# KiCad board squishy-main.kicad_pcb (continued)
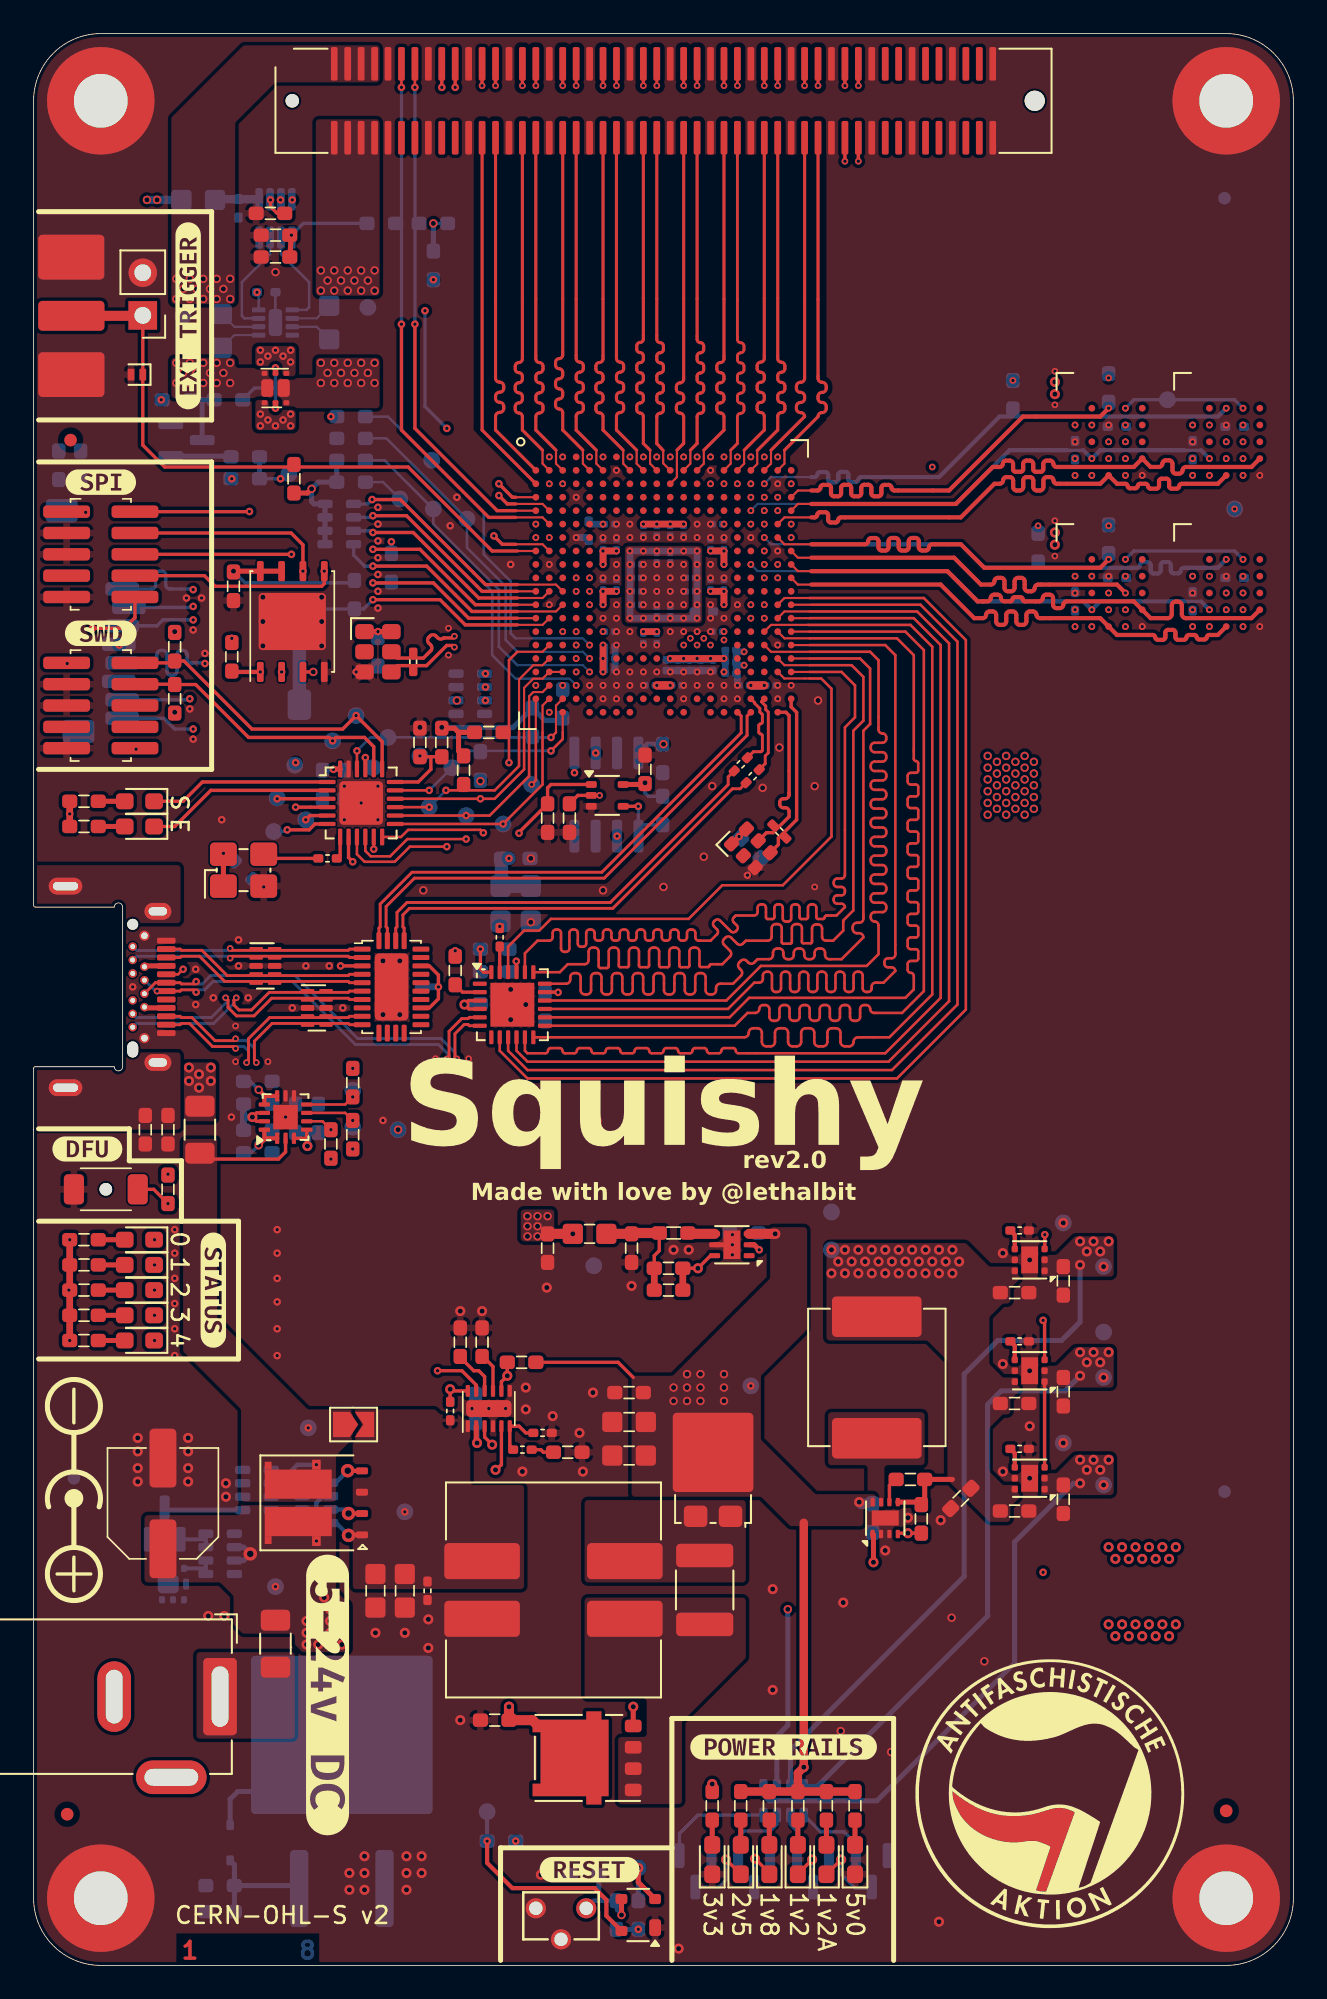
[diagram p0: board, top side]
## Footprints (pads in the part's own frame, mm; a bottom-side part is the same pattern mirrored in y, then rotated) (continued)
101445x-10x80xLF
  round 0.8 hole 0.8 unplated: (-22.1,0)
  round 1.2 hole 1.2 unplated: (22.1,0)
  rrect 0.4x2 smd: 1(-19.6,2.2) 2(-19.6,-2.2) 3(-18.8,2.2) 4(-18.8,-2.2) 5(-18,2.2) 6(-18,-2.2) 7(-17.2,2.2) 8(-17.2,-2.2) 9(-16.4,2.2) 10(-16.4,-2.2) 11(-15.6,2.2) 12(-15.6,-2.2) 13(-14.8,2.2) 14(-14.8,-2.2) 15(-14,2.2) 16(-14,-2.2) 17(-13.2,2.2) 18(-13.2,-2.2) 19(-12.4,2.2) 20(-12.4,-2.2) 21(-11.6,2.2) 22(-11.6,-2.2) 23(-10.8,2.2) 24(-10.8,-2.2) 25(-10,2.2) 26(-10,-2.2) 27(-9.2,2.2) 28(-9.2,-2.2) 29(-8.4,2.2) 30(-8.4,-2.2) 31(-7.6,2.2) 32(-7.6,-2.2) 33(-6.8,2.2) 34(-6.8,-2.2) 35(-6,2.2) 36(-6,-2.2) 37(-5.2,2.2) 38(-5.2,-2.2) 39(-4.4,2.2) 40(-4.4,-2.2) 41(-3.6,2.2) 42(-3.6,-2.2) 43(-2.8,2.2) 44(-2.8,-2.2) 45(-2,2.2) 46(-2,-2.2) 47(-1.2,2.2) 48(-1.2,-2.2) 49(-0.4,2.2) 50(-0.4,-2.2) 51(0.4,2.2) 52(0.4,-2.2) 53(1.2,2.2) 54(1.2,-2.2) 55(2,2.2) 56(2,-2.2) 57(2.8,2.2) 58(2.8,-2.2) 59(3.6,2.2) 60(3.6,-2.2) 61(4.4,2.2) 62(4.4,-2.2) 63(5.2,2.2) 64(5.2,-2.2) 65(6,2.2) 66(6,-2.2) 67(6.8,2.2) 68(6.8,-2.2) 69(7.6,2.2) 70(7.6,-2.2) 71(8.4,2.2) 72(8.4,-2.2) 73(9.2,2.2) 74(9.2,-2.2) 75(10,2.2) 76(10,-2.2) 77(10.8,2.2) 78(10.8,-2.2) 79(11.6,2.2) 80(11.6,-2.2) 81(12.4,2.2) 82(12.4,-2.2) 83(13.2,2.2) 84(13.2,-2.2) 85(14,2.2) 86(14,-2.2) 87(14.8,2.2) 88(14.8,-2.2) 89(15.6,2.2) 90(15.6,-2.2) 91(16.4,2.2) 92(16.4,-2.2) 93(17.2,2.2) 94(17.2,-2.2) 95(18,2.2) 96(18,-2.2) 97(18.8,2.2) 98(18.8,-2.2) 99(19.6,2.2) 100(19.6,-2.2)
AK2A-xxxMHz
  rrect 0.7x0.8 smd: 1(-1,-0.625) 2(0,-0.625) 3(1,-0.625) 4(1,0.625) 5(0,0.625) 6(-1,0.625)
AK3A-xxxMHz
  rrect 0.9x1.1 smd: 1(-1.2,-0.8) 2(0,-0.8) 3(1.2,-0.8) 4(1.2,0.8) 5(0,0.8) 6(-1.2,0.8)
B3U-1000P-B
  round 0.75 hole 0.75 unplated: (0,0)
  rrect 1.2x1.8 smd: 1(-1.9,0) 2(1.9,0)
BarrelJack_GCT_DCJ200-10-A_Horizontal
  rrect 4.6x2 hole 3.6x1: 1(0,0)
  oval 4.2x2 hole 3.2x1: 2(0,-6.3)
  oval 2x4.2 hole 1x3.2: 3(4.8,-2.9)
Bourns-SRF1260
  rrect 2.15x4.5 smd: 1(-1.715,-4.25) 2(1.715,-4.25) 3(1.715,4.25) 4(-1.715,4.25)
C0402
  rrect 0.6x0.5 smd: 1(-0.55,0) 2(0.55,0)
C0603
  rrect 0.9x0.8 smd: 1(-0.85,0) 2(0.85,0)
C0805
  rrect 1.2x1.2 smd: 1(-1,0) 2(1,0)
C_0201_0603Metric
  rrect 0.318x0.36 smd: (-0.345,0) (0.345,0)
  rrect 0.46x0.4 smd: 1(-0.32,0) 2(0.32,0)
C_1812_4532Metric
  rrect 1.4x3.4 smd: 1(-2.05,0) 2(2.05,0)
C_Elec_KEMET_EB
  rrect 3.5x1.6 smd: 1(-2.7,0) 2(2.7,0)
D_SOD-323
  rrect 0.6x0.45 smd: 1(-1.05,0) 2(1.05,0)
D_SOD-882
  rrect 0.3x0.6 smd: (-0.35,0) (0.35,0)
  rrect 0.4x0.7 smd: 1(-0.35,0) 2(0.35,0)
DFN-6-1EP_2x2mm_P0.65mm_EP1.01x1.7mm
  rrect 0.81x0.69 smd: (0,0.425) (0,-0.425)
  rrect 0.645x0.3 smd: 1(-1.028,0.65) 2(-1.028,0) 3(-1.028,-0.65) 4(1.028,-0.65) 5(1.028,0) 6(1.028,0.65)
  rect 1.01x1.7 smd: 7(0,0)
Fiducial_0.75mm_Mask1.5mm
  round 0.75 smd: (0,0)
FTSH-105-01-L-DV-K-TR
  rrect 0.74x2.79 smd: 1(-2.54,-2.035) 2(-2.54,2.035) 3(-1.27,-2.035) 4(-1.27,2.035) 5(0,-2.035) 6(0,2.035) 7(1.27,-2.035) 8(1.27,2.035) 9(2.54,-2.035) 10(2.54,2.035)
Fuse_1206_3216Metric
  rrect 1.25x1.75 smd: 1(-1.4,0) 2(1.4,0)
GCT_MEM2061-01-188-00-A_REVA
  rrect 0.8x2 smd: 1(1.94,-3.225) 2(0.84,-2.825) 3(-0.26,-3.225) 4(-1.36,-3.425) 5(-2.46,-3.225) 6(-3.56,-3.425) 7(-4.66,-3.225) 8(-5.76,-3.225)
  rrect 1.8x1.4 smd: 9(-4.95,7.325) 10(0.75,7.325)
  rrect 1.4x1.9 smd: 11(-6.55,-5.825) 11(6.6,-6.825)
L0603
  rrect 0.9x0.8 smd: 1(-0.85,0) 2(0.85,0)
L_Vishay_IHLP-3232
  rrect 2.413x5.334 smd: 1(-3.619,0) 2(3.619,0)
LED_0603_1608Metric_Pad1.05x0.95mm_HandSolder
  rrect 1.05x0.95 smd: 1(-0.875,0) 2(0.875,0)
Molex_SMA_732512120
  rrect 1.78x3.945 smd: 1(0,-2.272)
  rrect 2.665x3.945 smd: 2(-3.5,-2.272)
  rrect 2.665x3.945 smd far side: 2(-3.5,-2.272) 2(3.493,-2.272)
  rrect 2.665x3.935 smd: 2(3.493,-2.268)
MountingHole_3.2mm_M3_Pad
  round 6.4 hole 3.2: 1(0,0)
ONSemi_SO-8FL_488AA
  rrect 1x1 smd: (-0.7,1.8) (-0.7,0.6) (-0.7,-0.6) (-0.7,-1.8) (0.5,1.8) (0.5,0.6) (0.5,-0.6) (0.5,-1.8) (1.7,1.8) (1.7,0.6) (1.7,-0.6) (1.7,-1.8) (2.9,1.8) (2.9,-1.8)
  rrect 1x0.75 smd: 1(-2.747,-1.905) 2(-2.747,1.905) 2(-2.747,0.635) 2(-2.747,-0.635)
  custom 4.53x5.55 smd: 3(0.745,0)
PinHeader_1x02_P2.54mm_Vertical
  rect 1.7x1.7 hole 1: 1(0,0)
  oval 1.7x1.7 hole 1: 2(0,-2.54)
PowerPAK_SO-8L_Dual
  rrect 1.645x1.4 smd: (-0.01,-1.1) (0,1.1) (2.1,1.1) (2.1,-1.1)
  rrect 0.72x0.41 smd: 1(-2.715,1.905) 2(-2.715,0.635) 3(-2.715,-0.635) 4(-2.715,-1.905)
  rect 0.51x0.585 smd: 5(0,-2.272) 6(0,2.272)
  rect 3.99x1.73 smd: 5(1.08,-1.115) 6(1.08,1.115)
  rect 0.41x0.47 smd: 5(2.87,-2.215) 6(2.87,2.215)
QFN-24-1EP_4x4mm_P0.5mm_EP2.6x2.6mm
  rrect 1.05x1.05 smd: (-0.65,0.65) (-0.65,-0.65) (0.65,0.65) (0.65,-0.65)
  rrect 1x0.25 smd: 1(-2.025,1.25) 2(-2.025,0.75) 3(-2.025,0.25) 4(-2.025,-0.25) 5(-2.025,-0.75) 6(-2.025,-1.25) 13(2.025,-1.25) 14(2.025,-0.75) 15(2.025,-0.25) 16(2.025,0.25) 17(2.025,0.75) 18(2.025,1.25)
  rrect 0.25x1 smd: 7(-1.25,-2.025) 8(-0.75,-2.025) 9(-0.25,-2.025) 10(0.25,-2.025) 11(0.75,-2.025) 12(1.25,-2.025) 19(1.25,2.025) 20(0.75,2.025) 21(0.25,2.025) 22(-0.25,2.025) 23(-0.75,2.025) 24(-1.25,2.025)
  rrect 2.6x2.6 smd: 25(0,0)
QFN-24-1EP_4x4mm_P0.5mm_EP2.6x2.6mm#2
  rrect 1.05x1.05 smd: (-0.65,0.65) (-0.65,-0.65) (0.65,0.65) (0.65,-0.65)
  rrect 0.825x0.25 smd: 1(-1.938,1.25) 2(-1.938,0.75) 3(-1.938,0.25) 4(-1.938,-0.25) 5(-1.938,-0.75) 6(-1.938,-1.25) 13(1.938,-1.25) 14(1.938,-0.75) 15(1.938,-0.25) 16(1.938,0.25) 17(1.938,0.75) 18(1.938,1.25)
  rrect 0.25x0.825 smd: 7(-1.25,-1.938) 8(-0.75,-1.938) 9(-0.25,-1.938) 10(0.25,-1.938) 11(0.75,-1.938) 12(1.25,-1.938) 19(1.25,1.938) 20(0.75,1.938) 21(0.25,1.938) 22(-0.25,1.938) 23(-0.75,1.938) 24(-1.25,1.938)
  rect 2.6x2.6 smd: 25(0,0)
R0402
  rrect 0.6x0.5 smd: 1(-0.55,0) 2(0.55,0)
R0603
  rrect 0.9x0.8 smd: 1(-0.85,0) 2(0.85,0)
R0603_Array_Concave_4
  rrect 0.9x0.5 smd: 1(-0.85,1.2) 2(0.85,1.2) 3(-0.85,0.4) 4(0.85,0.4) 5(-0.85,-0.4) 6(0.85,-0.4) 7(-0.85,-1.2) 8(0.85,-1.2)
R0805
  rrect 1.2x1.2 smd: 1(-1,0) 2(1,0)
SMD2520
  rrect 1.3x1.2 smd: 1(-1.05,-0.9) 2(1.05,-0.9) 3(1.05,0.9) 4(-1.05,0.9)
SMD3225
  rrect 1.6x1.4 smd: 1(-1.2,-0.95) 2(1.2,-0.95) 3(1.2,0.95) 4(-1.2,0.95)
SOIC-8_3.9x4.9mm_P1.27mm
  rrect 1.95x0.6 smd: 1(-2.475,1.905) 2(-2.475,0.635) 3(-2.475,-0.635) 4(-2.475,-1.905) 5(2.475,-1.905) 6(2.475,-0.635) 7(2.475,0.635) 8(2.475,1.905)
SolderJumper-2_P1.3mm_Open_TrianglePad1.0x1.5mm
  custom 1.5x1.5 smd: 1(-0.725,0)
  custom 1.15x1.5 smd: 2(0.725,0)
SOT1118-3
  rrect 0.35x0.3 smd: 1(-0.65,-0.875) 2(0,-0.875) 3(0.65,-0.875) 4(0.65,0.875) 5(0,0.875) 6(-0.65,0.875)
  rrect 0.72x1.05 smd: 3(0.49,0) 6(-0.49,0)
SOT1220-3
  rrect 0.43x0.35 smd: 1(-0.935,0) 1(-0.935,0.65) 1(0.935,0) 1(0.935,0.65) 2(-0.935,-0.65) 3(0.935,-0.65)
  rrect 1.1x1.25 smd: 1(0,0.285)
  rrect 0.66x0.35 smd: 3(0,-0.775)
SOT-23
  rrect 1.475x0.6 smd: 1(-0.938,0.95) 2(-0.938,-0.95) 3(0.938,0)
SOT-23-8
  rrect 1.325x0.45 smd: 1(-1.137,0.975) 2(-1.137,0.325) 3(-1.137,-0.325) 4(-1.137,-0.975) 5(1.137,-0.975) 6(1.137,-0.325) 7(1.137,0.325) 8(1.137,0.975)
SOT-143
  rrect 0.7x1 smd: 1(-1,0.75)
  rrect 0.7x0.6 smd: 2(-1,-0.95) 3(1,-0.95) 4(1,0.95)
SOT-353_SC-70-5
  rrect 0.65x0.4 smd: 1(-0.95,0.65) 2(-0.95,0) 3(-0.95,-0.65) 4(0.95,-0.65) 5(0.95,0.65)
SW_Tactile_SPST_Angled_TC-1109DE
  round 1.2 hole 0.8: 1(-1.5,0) 2(1.5,0) 3(0,1.85)
TestPoint_Pad_D1.0mm
  round 1 smd: 1(0,0)
TFBGA-24-6x8mm-1.0mm
  round 0.4 smd: A2(-1,2) A3(0,2) A4(1,2) A5(2,2) B1(-2,1) B2(-1,1) B3(0,1) B4(1,1) B5(2,1) C1(-2,0) C2(-1,0) C3(0,0) C4(1,0) C5(2,0) D1(-2,-1) D2(-1,-1) D3(0,-1) D4(1,-1) D5(2,-1) E1(-2,-2) E2(-1,-2) E3(0,-2) E4(1,-2) E5(2,-2)
TO-263-2
  rrect 4.6x1.1 smd: 1(-7.65,2.54) 3(-7.65,-2.54)
  rrect 4.55x5.25 smd: 2(-0.925,-2.775) 2(-0.925,2.775) 2(3.925,-2.775) 2(3.925,2.775)
  rrect 9.4x10.8 smd: 2(1.5,0)
TO-277A-2
  rect 1.25x1.2 smd: (-1.7,0.65) (-1.7,-1.04) (-1.7,-2.7) (0,0.65) (0,-1.04) (0,-2.7) (1.7,0.65) (1.7,-1.04) (1.7,-2.7)
  rrect 4.8x4.72 smd: 1(0,-1.04)
  rrect 1.4x1.27 smd: 2(-1.04,2.765) 2(1.04,2.765)
UDFN-6L
  rrect 0.8x0.25 smd: 1(-0.55,0.55) 2(-0.55,0.05) 5(0.55,0.05) 6(0.55,0.55)
  rrect 0.8x0.35 smd: 3(-0.55,-0.45) 4(0.55,-0.45)
UDFN-8-1EP_6x5mm_P1.27mm_EP3.4x4mm
  rrect 1.37x1.61 smd: (-0.85,1) (-0.85,-1) (0.85,1) (0.85,-1)
  rrect 1.2x0.4 smd: 1(-3,1.905) 2(-3,0.635) 3(-3,-0.635) 4(-3,-1.905) 5(3,-1.905) 6(3,-0.635) 7(3,0.635) 8(3,1.905)
  rrect 3.4x4 smd: 9(0,0)
USB-3.1-Type-C_In-PCB
  round 0.65 hole 0.65 unplated: (-3.725,0.4)
  oval 0.95x0.65 hole 0.95x0.65 unplated: (3.725,0.4)
  rrect 0.35x1.1 smd: A1(-2.75,2.4) A2(-2.25,2.4) A3(-1.75,2.4) A4(-1.25,2.4) A5(-0.75,2.4) A6(-0.25,2.4) A7(0.25,2.4) A8(0.75,2.4) A9(1.25,2.4) A10(1.75,2.4) A11(2.25,2.4) A12(2.75,2.4)
  round 0.6 hole 0.4: B1(3.05,1.1) B12(-3.05,1.1)
  round 0.5 hole 0.3: B2(2.4,0.4) B3(1.6,0.4) B4(1.2,1.1) B5(0.8,0.4) B6(0.4,1.1) B7(-0.4,1.1) B8(-0.8,0.4) B9(-1.2,1.1) B10(-1.6,0.4) B11(-2.4,0.4)
  oval 1x2 hole 0.5x1.5: S1(-6,-3.6) S1(6,-3.6)
  oval 1x1.6 hole 0.5x1.1: S1(-4.5,1.9) S1(4.5,1.9)
USON-10_2.5x1.0mm_P0.5mm
  rrect 0.8x0.25 smd: 1(-0.55,1) 2(-0.55,0.5) 4(-0.55,-0.5) 5(-0.55,-1) 6(0.55,-1) 7(0.55,-0.5) 9(0.55,0.5) 10(0.55,1)
  rrect 0.8x0.35 smd: 3(-0.55,0) 8(0.55,0)
WQFN-14-1EP_2.5x2.5mm_P0.5mm_EP1.45x1.45mm
  rrect 0.58x0.58 smd: (-0.36,0.36) (-0.36,-0.36) (0.36,0.36) (0.36,-0.36)
  rrect 0.675x0.25 smd: 1(-1.262,0.5) 2(-1.262,0) 3(-1.262,-0.5) 8(1.262,-0.5) 9(1.262,0) 10(1.262,0.5)
  rrect 0.25x0.675 smd: 4(-0.75,-1.262) 5(-0.25,-1.262) 6(0.25,-1.262) 7(0.75,-1.262) 11(0.75,1.262) 12(0.25,1.262) 13(-0.25,1.262) 14(-0.75,1.262)
  rect 1.45x1.45 smd: 15(0,0)
WQFN-28-1EP_3.5x5.5_P0.5mm_EP2x4mm
  rrect 1x0.3 smd: 1(-1.75,2.25) 2(-1.75,1.75) 3(-1.75,1.25) 4(-1.75,0.75) 5(-1.75,0.25) 6(-1.75,-0.25) 7(-1.75,-0.75) 8(-1.75,-1.25) 9(-1.75,-1.75) 10(-1.75,-2.25) 15(1.75,-2.25) 16(1.75,-1.75) 17(1.75,-1.25) 18(1.75,-0.75) 19(1.75,-0.25) 20(1.75,0.25) 21(1.75,0.75) 22(1.75,1.25) 23(1.75,1.75) 24(1.75,2.25)
  rrect 0.3x1 smd: 11(-0.75,-2.75) 12(-0.25,-2.75) 13(0.25,-2.75) 14(0.75,-2.75) 25(0.75,2.75) 26(0.25,2.75) 27(-0.25,2.75) 28(-0.75,2.75)
  rrect 2x4 smd: 29(0,0)
WSON-6-1EP_2x2mm_P0.65mm_EP1x1.6mm
  rrect 0.81x0.64 smd: (0,0.4) (0,-0.4)
  rrect 0.375x0.4 smd: 1(-0.887,0.65) 2(-0.887,0) 3(-0.887,-0.65) 4(0.887,-0.65) 5(0.887,0) 6(0.887,0.65)
  rect 1x1.6 smd: 7(0,0)
WSON-8-1EP_2x2mm_P0.5mm_EP0.9x1.6mm
  rect 0.75x0.65 smd: (0,0.4) (0,-0.4)
  rrect 0.5x0.25 smd: 1(-0.95,0.75) 2(-0.95,0.25) 3(-0.95,-0.25) 4(-0.95,-0.75) 5(0.95,-0.75) 6(0.95,-0.25) 7(0.95,0.25) 8(0.95,0.75)
  rect 0.9x1.6 smd: 9(0,0)
WSON-12-1EP_2x3mm_P0.5mm_EP1x2.65mm
  rrect 0.7x0.25 smd: 1(-1.05,1.25) 2(-1.05,0.75) 3(-1.05,0.25) 4(-1.05,-0.25) 5(-1.05,-0.75) 6(-1.05,-1.25) 7(1.05,-1.25) 8(1.05,-0.75) 9(1.05,-0.25) 10(1.05,0.25) 11(1.05,0.75) 12(1.05,1.25)
  rrect 1x2.7 smd: 13(0,0)
WSON_8_2x2mm_1EP
  rrect 0.8x0.3 smd: 1(-1,0.75) 2(-1,0.25) 3(-1,-0.25) 4(-1,-0.75) 5(1,-0.75) 6(1,-0.25) 7(1,0.25) 8(1,0.75)
  rrect 0.8x1.6 smd: 9(0,0)

## Nets
+1V2: C50.2 C51.2 C52.2 C53.2 C65.2 C66.2 C67.2 C68.2 C69.2 C70.2 C71.2 C87.1 R35.4 TP11.1 U1.H8 U1.H9 U1.H10 U1.H11 U1.H12 U1.H13 U1.J8 U1.J13 U1.K8 U1.K13 U1.L8 U1.L13 U1.M8 U1.M13 U1.N8 U1.N9 U1.N10 U1.N11 U1.N12 U1.N13 U20.1 U20.2
+1V2A: C42.1 C54.2 C55.2 C56.2 C57.2 C58.2 C59.2 C81.2 C82.2 C83.2 C84.2 C85.2 R35.2 TP2.1 U1.T6 U1.T11 U1.T12 U1.T13 U1.T14 U1.T15 U1.U6 U1.U15 U16.1 U16.2 U17.3
+1V8: C2.1 C3.1 C4.1 C5.1 C13.1 C34.1 C35.1 C36.1 C37.1 C48.1 C78.2 C79.2 FB2.2 R35.6 R36.1 R67.1 R68.1 R69.1 TP13.1 U1.H14 U1.H15 U1.J15 U2.B4 U2.D1 U2.E4 U3.B4 U3.D1 U3.E4 U9.21 U14.B4 U14.D1 U14.E4 U15.B4 U15.D1 U15.E4 U16.3 U20.3
+2V5: C45.1 C60.2 C61.2 C62.2 C63.2 C64.2 C108.2 C109.2 C111.2 C112.2 R35.8 TP4.1 U1.F6 U1.F15 U1.P6 U1.P15 U1.V10 U1.V11 U1.V17 U1.V18 U17.1 U17.2
+3V3: C1.1 C7.1 C11.1 C12.2 C14.1 C15.1 C17.1 C18.1 C19.1 C20.1 C22.1 C23.1 C39.1 C40.1 C43.1 C47.1 C72.2 C73.2 C74.2 C75.2 C76.2 C77.2 C92.2 C96.2 C98.1 C99.1 C100.2 C101.1 C102.2 C103.2 C104.2 C105.2 C106.2 FB3.1 J4.1 J6.4 J8.1 L3.2 Q7.1 R1.1 R5.1 R7.1 R12.1 R14.3 R19.1 R20.1 R21.1 R22.1 R23.1 R24.1 R25.1 R26.1 R27.1 R28.1 R37.1 R42.1 R44.1 R45.1 R49.1 R54.1 R55.2 R57.1 R58.1 R60.1 R62.1 R64.2 R66.2 R66.4 R66.6 R66.8 R70.1 R71.1 R72.1 R73.1 R74.1 R75.1 R76.1 R77.1 TP6.1 U1.F9 U1.F10 U1.F11 U1.F12 U1.H6 U1.H7 U1.J6 U1.L6 U1.L7 U1.L14 U1.L15 U1.M6 U1.M15 U1.P9 U1.P10 U5.17 U5.22 U9.3 U9.4 U9.17 U10.3 U10.4 U11.24 U12.3 U12.7 U12.8 U16.6 U17.6 U18.8 U19.8 U20.6 U21.2 U22.1 U23.5 U24.5 X1.1 X1.6 X2.1 X2.4 X3.1 X3.6 X4.1 X4.4
+5V: C16.1 C29.2 C30.2 C32.2 C46.1 C88.1 C93.1 D1.1 Q7.4 R9.1 R18.2 R31.1 R32.1 R34.1 R40.1 R61.1 R65.2 R78.1 R79.1 R80.1 TP1.1 U10.12 U10.13 U21.3 U23.8
/USB Frontend/VBUS_S: R9.2 U9.2
GND: C1.2 C2.2 C3.2 C4.2 C5.2 C6.2 C7.2 C8.1 C11.2 C12.1 C13.2 C14.2 C15.2 C16.2 C17.2 C18.2 C19.2 C20.2 C21.2 C22.2 C23.2 C24.2 C25.1 C27.1 C29.1 C30.1 C31.1 C32.1 C33.1 C34.2 C35.2 C36.2 C37.2 C38.1 C39.2 C40.2 C41.2 C42.2 C43.2 C44.2 C45.2 C46.2 C47.2 C48.2 C49.2 C50.1 C51.1 C52.1 C53.1 C54.1 C55.1 C56.1 C57.1 C58.1 C59.1 C60.1 C61.1 C62.1 C63.1 C64.1 C65.1 C66.1 C67.1 C68.1 C69.1 C70.1 C71.1 C72.1 C73.1 C74.1 C75.1 C76.1 C77.1 C78.1 C79.1 C80.1 C81.1 C82.1 C83.1 C84.1 C85.1 C86.2 C87.2 C88.2 C89.2 C91.2 C92.1 C93.2 C94.2 C95.2 C96.1 C97.2 C98.2 C99.2 C100.1 C101.2 C102.1 C103.1 C104.1 C105.1 C106.1 C108.1 C109.1 C111.1 C112.1 D7.1 D8.1 D14.1 D17.2 H1.1 H2.1 H3.1 H4.1 J1.2 J2.2 J3.A1 J3.A12 J3.B1 J3.B12 J4.3 J4.5 J4.9 J6.6 J7.9 J7.10 J7.15 J7.16 J7.21 J7.22 J7.27 J7.28 J7.33 J7.34 J7.39 J7.40 J7.45 J7.46 J7.51 J7.52 J7.57 J7.58 J7.63 J7.64 J7.69 J7.70 J7.75 J7.76 J7.81 J7.82 J7.87 J7.88 J7.93 J7.94 J7.99 J7.100 J8.3 J8.5 J8.9 L1.2 Q2.2 Q3.2 Q4.2 Q5.2 Q6.3 Q8.2 Q9.2 R3.1 R4.1 R6.1 R8.1 R10.1 R14.5 R14.7 R15.1 R16.1 R17.1 R38.2 R39.2 R41.1 R43.2 R46.3 R46.5 R47.2 R50.2 R50.8 R56.2 R59.2 SW1.2 SW1.3 SW2.1 TP3.1 TP5.1 TP7.1 TP9.1 TP12.1 U1.B7 U1.B14 U1.C19 U1.D4 U1.F7 U1.F8 U1.F13 U1.F14 U1.G4 U1.G6 U1.G7 U1.G8 U1.G9 U1.G10 U1.G11 U1.G12 U1.G13 U1.G14 U1.G15 U1.G17 U1.H19 U1.J2 U1.J7 U1.J9 U1.J10 U1.J11 U1.J12 U1.J14 U1.K6 U1.K7 U1.K9 U1.K10 U1.K11 U1.K12 U1.K14 U1.K15 U1.L9 U1.L10 U1.L11 U1.L12 U1.M2 U1.M7 U1.M9 U1.M10 U1.M11 U1.M12 U1.M14 U1.M16 U1.N6 U1.N7 U1.N14 U1.N15 U1.P7 U1.P8 U1.P11 U1.P12 U1.P13 U1.P14 U1.R19 U1.U7 U1.U8 U1.U9 U1.U10 U1.U11 U1.U12 U1.U13 U1.U14 U1.V5 U1.V6 U1.V7 U1.V8 U1.V9 U1.V12 U1.V13 U1.V14 U1.V15 U1.V16 U1.V19 U1.V20 U1.W6 U1.W7 U1.W12 U1.W15 U1.W16 U1.W19 U2.B3 U2.C1 U2.E5 U3.B3 U3.C1 U3.E5 U4.1 U5.29 U6.3 U6.8 U7.3 U7.4 U8.3 U8.8 U9.25 U10.8 U10.9 U10.15 U11.23 U11.25 U12.4 U12.9 U13.4 U13.7 U13.13 U14.B3 U14.C1 U14.E5 U15.B3 U15.C1 U15.E5 U16.5 U16.7 U17.5 U17.7 U18.4 U19.4 U19.9 U20.5 U20.7 U21.5 U21.7 U22.4 U23.2 U23.3 U23.9 U24.3 X1.3 X2.2 X3.3 X4.2
VBUS: F2.2 JP1.1 Q10.5 R46.6 TP14.1 U10.2
VCC: C27.2 C31.2 C33.2 JP1.2 L1.1 Q10.1 Q10.3 R2.1 R48.2 TP10.1 U13.1
/ADC_CH: R59.1 U1.G1 U22.6
/ADC_CLK: U1.F1 U22.8
/ADC_DAT: U1.G2 U22.7
/DFU: R54.2 SW2.2 U11.8
/FBIT_CS: R38.1 U1.Y2 U24.2
/FLASH_CIPO: J8.6 TP27.1 U11.6 U12.2
/FLASH_CLK: J8.4 TP29.1 U11.4 U12.6
/FLASH_COPI: J8.8 TP28.1 U11.5 U12.5
/FPGA_CCLK: U1.U2 U1.U3 U11.16 U18.6
/FPGA_CFG0: R14.4 U1.U4
/FPGA_CFG1: R14.6 U1.T4
/FPGA_CFG2: R14.8 U1.R4
/FPGA_CIPO: TP22.1 U1.V2 U11.14 U18.2
/FPGA_COPI: TP21.1 U1.W2 U11.13 U18.5
/FPGA_DONE: R1.2 TP19.1 U1.Y3 U11.17
/FPGA_LED0: D6.1 U1.K4
/FPGA_LED1: D5.1 U1.K5
/FPGA_LED2: D4.1 U1.L4
/FPGA_LED3: D3.1 U1.L5
/FPGA_LED4: D2.1 U1.M5
/FPGA_TCK: R6.2 TP16.1 U1.T5
/FPGA_TDI: R76.2 TP17.1 U1.R5
/FPGA_TDO: R77.2 TP15.1 U1.V4
/FPGA_TMS: R75.2 TP18.1 U1.U5
/PHY.ACK: J7.54 U1.C11
/PHY.ATN: J7.50 U1.B11
/PHY.BSY: J7.49 U1.A11
/PHY.BSY_DIR: J7.53 U1.A12
/PHY.C/D: J7.62 U1.B15
/PHY.DB0: J7.36 U1.B5
/PHY.DB1: J7.37 U1.A6
/PHY.DB2: J7.38 U1.B6
/PHY.DB3: J7.41 U1.A8
/PHY.DB4: J7.42 U1.B8
/PHY.DB5: J7.43 U1.A9
/PHY.DB6: J7.44 U1.B9
/PHY.DB7: J7.47 U1.A10
/PHY.DB8: J7.71 U1.A18
/PHY.DB9: J7.72 U1.B18
/PHY.DB10: J7.73 U1.A19
/PHY.DB11: J7.74 U1.B19
/PHY.DB12: J7.29 U1.A2
/PHY.DB13: J7.26 U1.B1
/PHY.DB14: J7.31 U1.A3
/PHY.DB15: J7.30 U1.B2
/PHY.DBH_DIR: J7.24 U1.C1
/PHY.DBL_DIR: J7.32 U1.B3
/PHY.DP0: J7.48 U1.B10
/PHY.DP1: J7.35 U1.A5
/PHY.I/O: J7.66 U1.B16
/PHY.ID_SCL: J7.11 R58.2 U1.F2
/PHY.ID_SDA: J7.13 R49.2 U1.E1
/PHY.INIT_DIR: J7.56 U1.B12
/PHY.LS_CTRL0: J7.23 U1.C2
/PHY.LS_CTRL1: J7.25 U1.C3
/PHY.LS_CTRL2: J7.78 U1.C16
/PHY.LS_CTRL3: J7.80 U1.C17
/PHY.LS_CTRL4: J7.77 U1.C14
/PHY.LS_CTRL5: J7.79 U1.C15
/PHY.MSG: J7.60 U1.B13
/PHY.REQ: J7.67 U1.A17
/PHY.RST: J7.55 U1.A13
/PHY.RST_DIR: J7.59 U1.A14
/PHY.SEL: J7.61 U1.A15
/PHY.SEL_DIR: J7.65 U1.A16
/PHY.TERMPW_EN: J7.19 U1.D1
/PHY.TRGT_DIR: J7.68 U1.B17
/PHY.~{PHY_PRSNT}: J7.17 R64.1 U1.E2
/Power & Mechanical/ADC_REF: C97.1 FB3.2 U22.5
/Power & Mechanical/PHY_3V3_SENSE: U19.1 U22.2
/Power & Mechanical/PHY_3v3_SW: Q7.6 R52.2 U19.3
/Power & Mechanical/PHY_5v0_SW: Q7.3 R53.2 U19.5
/Power & Mechanical/PHY_5V_SENSE: U19.7 U22.3
/Power & Mechanical/PSU_EN: R40.2 TP42.1 U4.2 U23.1
/Power & Mechanical/SEPIC_GOOD: R65.1 TP47.1 U4.4 U13.11
/Power & Mechanical/SEPIC_OUT: C28.2 D1.2 L1.4
/Power & Mechanical/SEPIC_SW: C28.1 L1.3 Q1.2
/PWR_PHY_3v3: J7.2 J7.4 J7.6 J7.8 R52.1 TP45.1 U19.2
/PWR_PHY_5v0: J7.1 J7.3 J7.5 J7.7 R53.1 TP44.1 U19.6
/RAM.CLK0+: U1.C20 U2.B2 U3.B2
/RAM.CLK0-: U1.D19 U2.B1 U3.B1
/RAM.CLK1+: U1.G20 U14.B1 U15.B1
/RAM.CLK1-: U1.F20 U14.B2 U15.B2
/RAM.DQE0: U1.E18 U2.D3 U3.D3
/RAM.DQE1: U1.E17 U2.D2 U3.D2
/RAM.DQE2: U1.D18 U2.C4 U3.C4
/RAM.DQE3: U1.E19 U2.D4 U3.D4
/RAM.DQE4: U1.E20 U2.D5 U3.D5
/RAM.DQE5: U1.F19 U2.E3 U3.E3
/RAM.DQE6: U1.F18 U2.E2 U3.E2
/RAM.DQE7: U1.F17 U2.E1 U3.E1
/RAM.DQO0: U1.J18 U14.D3 U15.D3
/RAM.DQO1: U1.J17 U14.D2 U15.D2
/RAM.DQO2: U1.H20 U14.C4 U15.C4
/RAM.DQO3: U1.J19 U14.D4 U15.D4
/RAM.DQO4: U1.J20 U14.D5 U15.D5
/RAM.DQO5: U1.K20 U14.E3 U15.E3
/RAM.DQO6: U1.K19 U14.E2 U15.E2
/RAM.DQO7: U1.K18 U14.E1 U15.E1
/RAM.RWDS: TP41.1 U1.H18 U2.C3 U3.C3 U14.C3 U15.C3
/RAM.~{CS0}: R36.2 U1.D20 U2.A3
/RAM.~{CS1}: R67.2 U1.G19 U14.A3
/RAM.~{CS2}: R68.2 U1.C18 U3.A3
/RAM.~{CS3}: R69.2 U1.G18 U15.A3
/RAM.~{RST}: TP40.1 U1.D17 U2.A4 U3.A4 U14.A4 U15.A4
/SDCARD.CLK: J6.5 U1.M1
/SDCARD.CMD: J6.3 R66.5 U1.L2
/SDCARD.D0: J6.7 R66.7 U1.M3
/SDCARD.D1: J6.8 R70.2 U1.N1
/SDCARD.D2: J6.1 R66.1 U1.L3
/SDCARD.D3: J6.2 R66.3 U1.L1
/SDCARD.DET: J6.9 J6.10 R28.2 U1.N2
/SU_ATTN: TP20.1 U1.W1 U11.12
/SU_CLK: R29.2 U11.7
/SU_LED_G: D16.1 U11.1
/SU_LED_R: D15.1 U11.2
/SU_SWCLK: J4.2 R20.2 TP32.1 U11.19
/SU_SWDIO: J4.4 R19.2 TP31.1 U11.20
/SYSCLK+: R13.1 U1.P4 X1.4
/SYSCLK-: R13.2 U1.P3 X1.5
/UBIT_CS: R39.1 U11.11 U24.1
/USB Frontend/CC1: C91.1 J3.A5 U10.10 U10.11
/USB Frontend/CC2: C49.1 J3.B5 U10.1 U10.14
/USB Frontend/D+: J3.A6 J3.B6 U7.2 U7.5 U9.6
/USB Frontend/D-: J3.A7 J3.B7 U7.1 U7.6 U9.5
/USB Frontend/PD_SCL: R44.2 TP35.1 U1.M18 U10.6
/USB Frontend/PD_SDA: R22.2 TP34.1 U1.N17 U10.7
/USB Frontend/PHY_BUS.CLK: U1.P18 U9.12
/USB Frontend/PHY_BUS.D0: U1.R18 U9.16
/USB Frontend/PHY_BUS.D1: U1.R20 U9.15
/USB Frontend/PHY_BUS.D2: U1.P19 U9.14
/USB Frontend/PHY_BUS.D3: U1.P20 U9.13
/USB Frontend/PHY_BUS.D4: U1.N20 U9.11
/USB Frontend/PHY_BUS.D5: U1.N19 U9.10
/USB Frontend/PHY_BUS.D6: U1.M20 U9.9
/USB Frontend/PHY_BUS.D7: U1.M19 U9.8
/USB Frontend/PHY_BUS.DIR: U1.T19 U9.19
/USB Frontend/PHY_BUS.NXT: U1.T20 U9.18
/USB Frontend/PHY_BUS.STP: U1.U20 U9.20
/USB Frontend/PHY_CLK: R30.2 U9.23
/USB Frontend/PLUG_POL: U1.N18 U5.3
/USB Frontend/REFCLK+: R11.1 U1.W20 X3.4
/USB Frontend/REFCLK-: R11.2 U1.Y19 X3.5
/USB Frontend/RX1+: J3.B11 U5.1 U6.1 U6.10
/USB Frontend/RX1-: J3.B10 U5.2 U6.2 U6.9
/USB Frontend/RX2+: J3.A11 U5.9 U8.4 U8.7
/USB Frontend/RX2-: J3.A10 U5.10 U8.5 U8.6
/USB Frontend/SSRX+: U1.Y16 U5.28
/USB Frontend/SSRX-: U1.Y17 U5.27
/USB Frontend/SSTX+: C9.2 U1.W17
/USB Frontend/SSTX-: C10.2 U1.W18
/USB Frontend/TX1+: J3.A2 U5.4 U6.4 U6.7
/USB Frontend/TX1-: J3.A3 U5.5 U6.5 U6.6
/USB Frontend/TX2+: J3.B2 U5.6 U8.1 U8.10
/USB Frontend/TX2-: J3.B3 U5.7 U8.2 U8.9
/USB Frontend/TX+: C9.1 U5.26
/USB Frontend/TX-: C10.1 U5.25
/USB Frontend/USB_SHIELD: C8.2 J3.S1 R8.2
/USB Frontend/~{PD_INT}: R45.2 TP33.1 U1.M17 U10.5
/USB Frontend/~{PHY_RST}: U1.U19 U9.22
/~{BITRAM_CS}: R37.2 U18.1 U24.4
/~{DFU_TRIG}: U1.V1 U11.10
/~{FLASH_CS}: J8.2 R71.2 TP30.1 U11.3 U12.1
/~{FPGA_CS}: R5.2 TP26.1 U1.T2 U11.15
/~{FPGA_HOLD}: R74.2 U1.R2 U11.9
/~{FPGA_INIT}: R73.2 TP23.1 U1.V3 U11.21
/~{FPGA_PROG}: R72.2 TP24.1 U1.W3 U11.22
/~{PHY_PWR_EN}: R62.2 R63.2 TP43.1 U1.H2
/~{SU_RST}: C21.1 J4.10 J8.10 R12.2 TP46.1 U11.18
/~{TRIGGER}: D17.1 J1.1 J2.1 R60.2 U1.H1
VDC: C94.1 D13.1 D14.2 F1.2 Q10.6 R48.6 R50.4 R50.6 TP8.1
Net-(C26-Pad1): C26.1 R15.2
Net-(C89-Pad1): C89.1 C90.1 FB2.1 L2.2 R33.1
Net-(D2-A): D2.2 R23.2
Net-(D3-A): D3.2 R24.2
Net-(D4-A): D4.2 R25.2
Net-(D5-A): D5.2 R26.2
Net-(D6-A): D6.2 R27.2
Net-(D7-A): D7.2 R31.2
Net-(D8-A): D8.2 R42.2
Net-(D9-A): D9.2 R34.2
Net-(D9-K): D9.1 Q3.3
Net-(D10-A): D10.2 R79.2
Net-(D10-K): D10.1 Q4.3
Net-(D11-A): D11.2 R78.2
Net-(D11-K): D11.1 Q2.3
Net-(D12-A): D12.2 R80.2
Net-(D12-K): D12.1 Q5.3
Net-(D13-A): C95.1 D13.2 D14.3 R47.1
Net-(D15-A): D15.2 R7.2
Net-(D16-A): D16.2 R21.2
Net-(F1-Pad1): F1.1 J5.1
Net-(F2-Pad1): F2.1 J3.A4 J3.A9 J3.B4 J3.B9
Net-(J6-SHIELD): C80.2 J6.11 R41.2
Net-(Q1-G): Q1.1 U13.3
Net-(Q1-S): Q1.3 R16.2 U13.5
Net-(Q2-G): Q2.1 R35.5
Net-(Q3-G): Q3.1 R35.7
Net-(Q4-G): Q4.1 R35.3
Net-(Q5-G): Q5.1 R35.1
Net-(Q6-D): J5.2 J5.3 Q6.1
Net-(Q6-G): Q6.2 R50.1 R50.3
Net-(Q7A-G): Q7.2 Q7.5 R51.2
Net-(Q8-D): Q8.3 R46.1
Net-(Q8-G): Q8.1 R50.5 R50.7
Net-(Q9-D): Q9.3 R51.1 R61.2
Net-(Q9-G): Q9.1 R63.1
Net-(Q10A-G): Q10.2 R48.4
Net-(Q10B-G): Q10.4 R48.8
Net-(R46-Pad2): R46.2 R48.1 R48.3
Net-(R46-Pad4): R46.4 R48.5 R48.7
Net-(U4-~{MR}): C6.1 R32.2 SW1.1 U4.3
Net-(U9-RBIAS): R10.2 U9.24
Net-(U13-COMP): C26.2 C38.2 U13.6
Net-(U13-FB): R17.2 R18.1 U13.8
Net-(U13-RT): R4.2 U13.10
Net-(U13-SS): C25.2 U13.9
Net-(U13-UVLO/EN/SYNC): R2.2 R3.2 U13.12
Net-(U13-VCC): C24.1 U13.2
Net-(U16-BIAS): C41.1 U16.4
Net-(U17-BIAS): C44.1 U17.4
Net-(U20-BIAS): C86.1 U20.4
Net-(U21-FB): C90.2 R33.2 R43.1 U21.6
Net-(U21-LX): L2.1 U21.4
Net-(U23-FB): R55.1 R56.1 U23.4
Net-(U23-PG): R57.2 U23.6
Net-(U23-SW): L3.1 U23.7
Net-(X2-OUT): R30.1 X2.3
Net-(X4-OUT): R29.1 X4.3

Pads without a net: J3 A8 B8; J4 6 7 8; J7 12 14 18 20 83 84 85 86 89 90 91 92 95 96 97 98; J8 7; R14 1 2; R46 7 8; U1 A4 A7 B4 B20 C4 C5 C6 C7 C8 C9 C10 C12 C13 D2 D3 D5 D6 D7 D8 D9 D10 D11 D12 D13 D14 D15 D16 E3 E4 E5 E6 E7 E8 E9 E10 E11 E12 E13 E14 E15 E16 F3 F4 F5 F16 G3 G5 G16 H3 H4 H5 H16 H17 J1 J3 J4 J5 J16 K1 K2 K3 K16 K17 L16 L17 L18 L19 L20 M4 N3 N4 N5 N16 P1 P2 P5 P16 P17 R1 R3 R16 R17 T1 T3 T7 T8 T9 T10 T16 T17 T18 U1 U16 U17 U18 W4 W5 W8 W9 W10 W11 W13 W14 Y5 Y6 Y7 Y8 Y11 Y12 Y14 Y15; U2 A2 A5 B5 C2 C5; U3 A2 A5 B5 C2 C5; U5 8 11 12 13 14 15 16 18 19 20 21 23 24; U9 1 7; U14 A2 A5 B5 C2 C5; U15 A2 A5 B5 C2 C5; U18 3 7; U21 1; X1 2; X3 2

## Via types
v1: diameter 0.6, hole 0.3, Top to Bottom, 187 vias
v2: diameter 0.45, hole 0.2, Top to Bottom, 196 vias
v3: diameter 0.4, hole 0.2, Top to Bottom, 342 vias
v4: diameter 0.5, hole 0.3, Top to Bottom, 147 vias
v5: diameter 0.8, hole 0.4, Top to Bottom, 4 vias
